# Altium PCB myAMP.PcbDoc (continued)
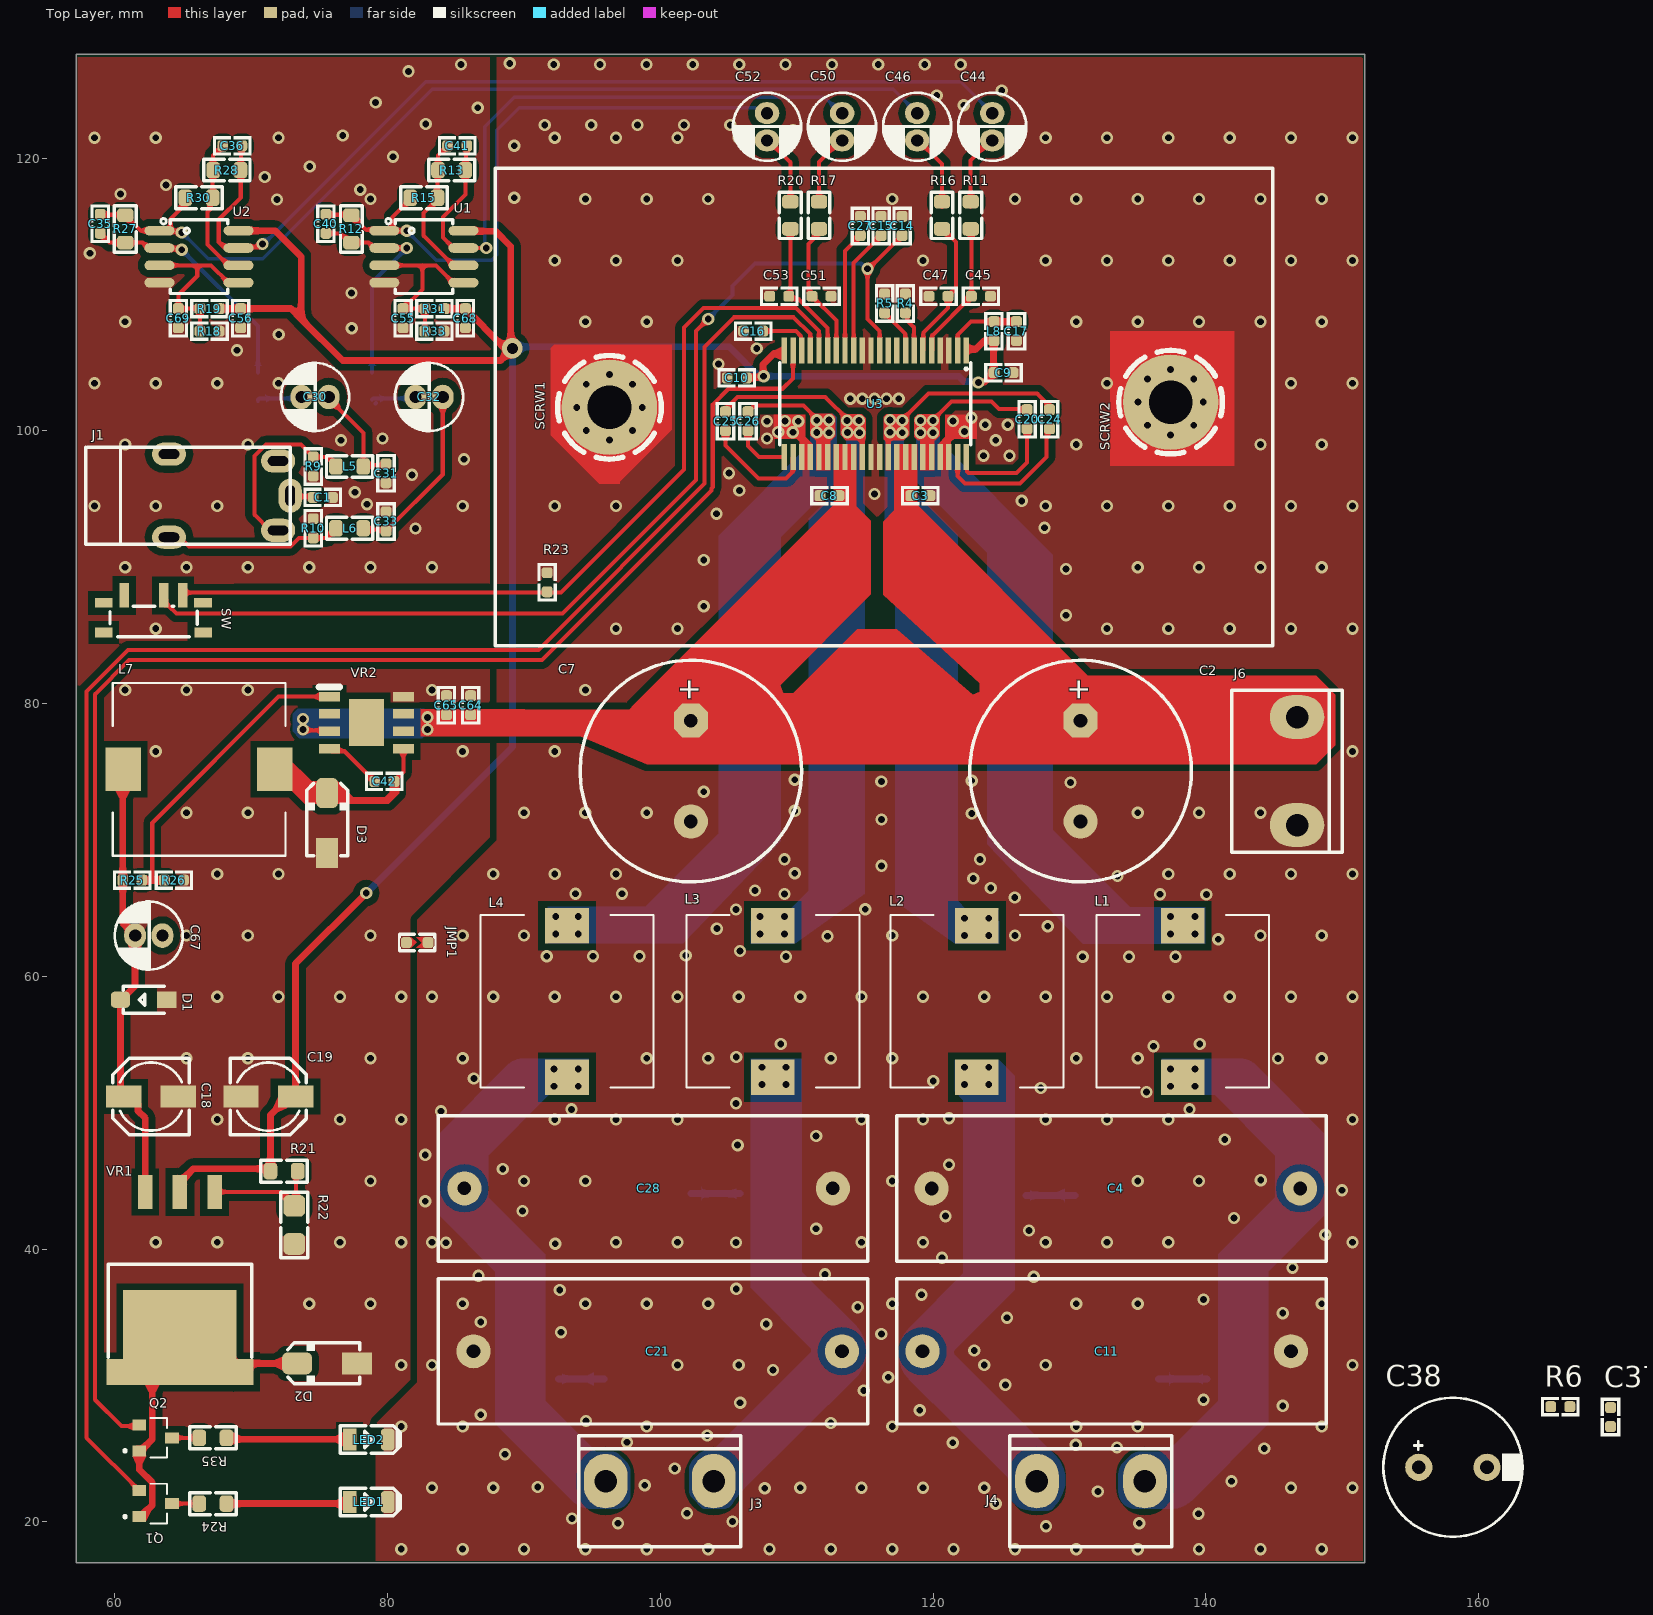
[diagram p0: Top Layer view]
## Footprints (in the part's own frame and the unit in brackets; to place one, negate y for a bottom-side part, rotate by r counter-clockwise, add the part's x,y. Pads: shape width x height; smd on the part's side, far side on the other; paste and mask are expansions set on the pad) (continued)
C_MKP_THT [mm] "pins distance: 27"
  round 2.5 hole 1: 1(-553.72,-3.427) 2(-526.701,-3.427)
  silkscreen extent -555.62,-8.76 -524.13,1.9
D2PAK [mm]
  rect 2.5x1.07 smd: 1(0,2.54) 2(0,-2.54) 3(0,0)
  rect 1.91x10.8 smd: 3(-13.215,0)
  rect 6.99x8.33 smd: 3(-10.675,0)
  silkscreen extent -12.13,-5.27 -5.3,5.27, body extent -13.67,-5.08 0.67,5.08, height 4.57
D_SOD123 [mm] "SOD123, 1206D"
  rect 1.4x1.2 smd paste-0.1 mask+0.1: 1(-1.7,0)
  rrect50% 1.4x1.2 smd paste-0.1 mask+0.1: 2(1.7,0)
  Top Layer pour cut-out: -1.016,1.1 -1.016,-1.1 1.016,-1.1 1.016,1.1
  silkscreen extent -1.5,-1 1.5,1, body extent -1.95,-0.97 1.95,0.96, height 1
DO-214AC [mm] "SMA Molded Diode, 2-Leads, Body 4.3x2.7mm, SOD-128"
  rect 2.2x1.6 smd paste-0.1: 1(-2.2,0)
  rrect50% 2.2x1.6 smd paste-0.1: 2(2.2,0)
  silkscreen extent -2.4,-1.5 2.9,1.5, body extent -2.75,-1.4 2.75,1.4, height 2.6
HOLE_3M [mm] "SCREW mouting, M3, 3.0mm diameter and 6.0mm FlangeHead"
  round 7 / inner round 3.5 / far side round 7 hole 3.2 mask+0.1: 1(0,0)
  Top Layer pour cut-out: 0,4 -1.531,3.696 -2.828,2.829 -3.695,1.531 -4,0 -4,0 -3.695,-1.53 -2.828,-2.828 -1.531,-3.695 0,-4 0,-4 2,-3.464 3.464,-2 4,0 4,0 3.696,1.531 2.828,2.828 1.531,3.696 0,4
  Bottom Layer pour cut-out: 0,4 -1.531,3.696 -2.828,2.829 -3.695,1.531 -4,0 -4,0 -3.695,-1.53 -2.828,-2.828 -1.531,-3.695 0,-4 0,-4 2,-3.464 3.464,-2 4,0 4,0 3.696,1.531 2.828,2.828 1.531,3.696 0,4
  silkscreen extent -3.8,-3.8 3.8,3.8
HTSSOP44_T [mm]
  rect 1.9x0.4 smd: 1(-3.9,6.668) 2(-3.9,6.033) 3(-3.9,5.398) 4(-3.9,4.763) 5(-3.9,4.128) 6(-3.9,3.493) 7(-3.9,2.858) 8(-3.9,2.223) 9(-3.9,1.588) 10(-3.9,0.953) 11(-3.9,0.318) 12(-3.9,-0.317) 13(-3.9,-0.952) 14(-3.9,-1.587) 15(-3.9,-2.222) 16(-3.9,-2.857) 17(-3.9,-3.493) 18(-3.9,-4.128) 19(-3.9,-4.763) 20(-3.9,-5.398) 21(-3.9,-6.033) 22(-3.9,-6.668) 23(3.9,-6.668) 24(3.9,-6.033) 25(3.9,-5.398) 26(3.9,-4.763) 27(3.9,-4.128) 28(3.9,-3.493) 29(3.9,-2.857) 30(3.9,-2.222) 31(3.9,-1.587) 32(3.9,-0.952) 33(3.9,-0.317) 34(3.9,0.318) 35(3.9,0.953) 36(3.9,1.588) 37(3.9,2.223) 38(3.9,2.858) 39(3.9,3.493) 40(3.9,4.128) 41(3.9,4.763) 42(3.9,5.398) 43(3.9,6.033) 44(3.9,6.668)
  silkscreen extent -3,-7 3,7, body extent -4.06,-7 4.06,7, height 1.01
J_PJ-321B [mm]
  oval 1.7x2.5 hole 0.7 slot 1.5 at 90 deg: 1(-5.969,-0.127)
  oval 2.5x1.7 hole 0.7 slot 1.5 at 0 deg: 2(-5.08,-2.667) 3(-5.08,2.413) 4(2.921,2.921) 4(2.921,-3.175)
  silkscreen extent -5.97,-3.68 9.02,3.43
JUMPER_0603 [mm] "CHIP Resistor 1/10 WATT, 1.6x0.8mm, 0603, 1608"
  rrect50% 0.8x0.8 smd paste-3 mask+0.05: 1(-0.8,0) 2(0.8,0)
  Top Layer region: -0.943,0.4 0.057,0.4 -0.343,0 0.057,-0.4 -0.943,-0.4
  Top Layer region: 0.429,0.397 0.029,-0.003 0.429,-0.403 0.829,-0.403 0.829,0.397
  silkscreen extent -1.33,-0.6 1.33,0.6, body extent -0.85,-0.4 0.85,0.4, height 0.56
L_0603_2 [mm] "INDUCTOR, FERRITE BEAD, 0603, 1.6X0.8mm"
  rrect50% 0.8x0.8 smd paste-5 mask+0.075: 1(-0.7,0) 2(0.7,0)
  silkscreen extent -1.4,-0.7 1.4,0.7, body extent -0.8,-0.4 0.8,0.4, height 0.95
L_0805 [mm] "INDUCTOR, FERRITE BEAD, 0805, 2.0X1.3mm"
  rrect50% 1x1.2 smd paste-5 mask+0.075: 1(-1,0) 2(1,0)
  Top Layer pour cut-out: -0.5,0.8 0.5,0.8 0.5,-0.8 -0.5,-0.8
  silkscreen extent -1.7,-0.8 1.7,0.8, body extent -1,-0.6 1,0.6, height 0.95
L_SLF12565 [mm]
  rect 2.6x3.2 smd: 1(-5.55,0) 2(5.55,0)
  silkscreen extent -6.35,-6.34 6.32,6.34, body extent -6.25,-6.25 6.25,6.25, height 6.85
LED_1206_RED [mm] "LED, 1206, RED"
  rect 1x1.6 smd paste-0.2 mask+0.075: 1(-1.4,0)
  rrect50% 1x1.6 smd paste-0.2 mask+0.075: 2(1.4,0)
  Top Layer pour cut-out: -1.1,1.1 -1.1,-1.1 1.1,-1.1 1.1,1.1
  silkscreen extent -2.1,-1 2.3,1, body extent -1.6,-0.8 1.6,0.8, height 0.68
PCBComponent_1 [mm]
  rect 0.7x1.8 smd: 1(0.443,-8.932) 2(1.843,-8.932) 3(4.73,-8.932)
  rect 1.3x0.7 smd: 4(-1.06,-6.215) 4(-1.056,-8.382) 4(6.23,-8.382) 4(6.23,-6.215)
  silkscreen extent -0.63,-8.14 5.77,-5.91
R_0603_2 [mm] "CHIP Resistor 1/10 WATT, 1.6x0.8mm, 0603, OPTIMIZED"
  rrect50% 0.8x0.8 smd paste-5 mask+0.075: 1(-0.7,0) 2(0.7,0)
  Top Layer pour cut-out: -0.5,0.4 0.5,0.4 0.5,-0.4 -0.5,-0.4
  silkscreen extent -1.4,-0.7 1.4,0.7, body extent -0.85,-0.4 0.85,0.4, height 0.56
R_0805 [mm] "CHIP RESISTOR 1/8 WATT ,2.0X1.3mm, 0805, 2012"
  rrect50% 1x1.2 smd paste-5 mask+0.075: 1(-1,0) 2(1,0)
  Top Layer pour cut-out: -0.5,0.8 0.5,0.8 0.5,-0.8 -0.5,-0.8
  silkscreen extent -1.7,-0.8 1.7,0.8, body extent -1.15,-0.67 1.15,0.68, height 0.76
R_1206 [mm]
  rrect50% 1.6x1.6 smd paste-5 mask+0.075: 1(-1.4,0) 2(1.4,0)
  Top Layer pour cut-out: -0.8,1 -0.8,-1 0.8,-1 0.8,1
  silkscreen extent -2.4,-1 2.4,1, body extent -1.68,-0.86 1.68,0.86, height 0.85
SO8_2 [mm] "SOP-8, 5x3.9mm body 1.27mm pitch, SOT96-1, M08A, S8, SOIC8, VO8, MS-012AA(JEDEC), R-8, 8S2, VOG8"
  oval 2.2x0.7 smd: 1(-2.9,1.905) 2(-2.9,0.635) 3(-2.9,-0.635) 4(-2.9,-1.905) 5(2.9,-1.905) 6(2.9,-0.635) 7(2.9,0.635) 8(2.9,1.905)
  silkscreen extent -2.8,-2.7 2.1,2.8, body extent -3,-2.45 3,2.45, height 1.7
SOIC127P600X170-9N [mm]
  rect 1.525x0.7 smd: 1(-2.712,1.905) 2(-2.712,0.635) 3(-2.712,-0.635) 4(-2.712,-1.905) 5(2.712,-1.905) 6(2.712,-0.635) 7(2.712,0.635) 8(2.712,1.905)
  rect 2.56x3.45 smd: 9(0,0)
  silkscreen extent -3.47,2.61 -1.95,2.61, body extent -2.45,-3 2.45,3, height 1.7
TRANS_DTC113ZKAT146 [mm]
  rect 1x0.8 smd: 1(-1.2,-0.95) 2(-1.2,0.95) 3(1.2,0)
  silkscreen extent -2.35,-1.45 0.83,1.45, body extent -1.4,-1.45 1.4,1.45, height 1.4
VH3_2 [mm]
  oval 3.2x4 hole 1.65: 1(-3.96,0) 2(3.96,0)
  silkscreen extent -5.94,-4.8 5.94,3.31, body extent -5.92,-4.66 5.9,3.84, height 10.9

## Part data
C1 C3 C4 C5 C6 C8 C9 C10 C11 C12 C13 C14 C15 C16 C17 C20 C21 C22 C23 C24 C25 C26 C27 C28 C29 C30 C31 C32 C33 C34 C35 C36 C37 C38 C40 C41 C44 C45 C46 C47 C50 C51 C52 C53 C56 C67 C68: library part Cap, "Capacitor", LatestRevisionDate=17-Jul-2002, LatestRevisionNote="Re-released for DXP Platform.", PackageReference=RAD-0.3, Published=8-Jun-2000, Publisher="Altium Limited"
  C3 C4 C5 C6 C8 C9 C10 C11 C12 C13 C14 C15 C16 C17 C20 C21 C22 C23 C24 C25 C26 C27 C28 C29 C34: PackageDescription="Radial Cap, Thru-Hole; 2 Leads; 0.3 in Pin Spacing"
C2 C7 C18 C19: library part "Cap Pol1", "Polarized Capacitor (Radial)", LatestRevisionDate=17-Jul-2002, LatestRevisionNote="Re-released for DXP Platform.", PackageReference=RB7.6-15, Published=8-Jun-2000, Publisher="Altium Limited"
C42 C55 C64 C65 C69: "Capacitor", LatestRevisionDate=17-Jul-2002, LatestRevisionNote="Re-released for DXP Platform.", PackageDescription="Radial Cap, Thru-Hole; 2 Leads; 0.3 in Pin Spacing", PackageReference=RAD-0.3, Published=8-Jun-2000, Publisher="Altium Limited"
D1 D2: library part "D Zener", "Zener Diode", LatestRevisionDate=17-Jul-2002, LatestRevisionNote="Re-released for DXP Platform.", PackageDescription="Diode, Thru-Hole; 2 Leads; 0.7 in Pin Spacing", PackageReference=DIODE-0.7, Published=8-Jun-2000, Publisher="Altium Limited"
D3: library part "D Schottky", "Schottky Diode", Code_JEDEC=DO-214-AA, LatestRevisionDate=17-Jul-2002, LatestRevisionNote="Re-released for DXP Platform.", PackageDescription="DO-214-AA/SMB; 2 C-Bend Leads; Body 5.3 x 3.6 mm, inc. leads (LxW)", PackageReference=SMB, Published=8-Jun-2000, Publisher="Altium Limited"
J1: Current Rating (Max)=500mA, JLCPCB Part Class="Extended Part", LCSC Part Name=3.5mm耳机座, Manufacturer="XKB Connection(中国星坤)", Operating Temperature Range=-20℃~+70℃, Soldering Temperature(Max)=235℃, Voltage Rating (Max)=30V, Add into BOM=yes, Connector Type=3.5mm耳机座, Convert to PCB=yes, Datasheet=https://atta.szlcsc.com/upload/public/pdf/source/20211011/0B12C1EC3FF575692CC2E8C172D7F9F9.pdf, Device=PJ-321B, Manufacturer Part=PJ-321B, Supplier=LCSC, Supplier Footprint=插件, Supplier Part=C692436, Symbol=PJ-321B
J3 J4 J6 JMP1: library part "Header 2", "Header, 2-Pin", LatestRevisionDate=17-Jul-2002, LatestRevisionNote="Re-released for DXP Platform.", Publisher="Altium Limited"
L1 L2 L3 L4 L5 L6 L8: library part Inductor, "Inductor", Code_IEC=1005, Code_JEITA=0402, LatestRevisionDate=29-May-2009, LatestRevisionNote="IPC-7351 Footprint Added.", PackageDescription="Chip Inductor", PackageReference=0402-A, Published=8-Jun-2000, Publisher="Altium Limited"
LED1 LED2: library part LED0, LatestRevisionDate=08-Jul-2005, LatestRevisionNote="Mech Layer 1 removed.", PackageReference=LED-0, Published=8-Jun-2000, Publisher="Altium Limited"
Q1 Q2: library part PNP_MMBT2907_SOT23, "BJT, PNP, 40v, 0.6A, SMD, SOT23", MANF="Diodes, NXP, FAIRCHILD, ON", MANF_P#=MMBT2907, PARAM="40v, 0.6A", PARAM2=250mW
R1 R2 R3 R4 R5 R7 R23 R24 R35: library part Res1, "Resistor", LatestRevisionDate=17-Jul-2002, LatestRevisionNote="Re-released for DXP Platform.", PackageDescription="Axial Device, Thru-Hole; 2 Leads; 0.3 in Pin Spacing", PackageReference=AXIAL-0.3, Published=8-Jun-2000, Publisher="Altium Limited"
R6 R21 R22 R25 R26: "Resistor", LatestRevisionDate=17-Jul-2002, LatestRevisionNote="Re-released for DXP Platform.", PackageDescription="Axial Device, Thru-Hole; 2 Leads; 0.3 in Pin Spacing", PackageReference=AXIAL-0.3, Published=8-Jun-2000, Publisher="Altium Limited"
R9 R10 R11 R12 R13 R14 R15 R16 R17 R20 R27 R28 R29 R30: library part "Res SEMI", "Semiconductor Resistor", LatestRevisionDate=17-Jul-2002, LatestRevisionNote="Re-released for DXP Platform.", PackageReference=AXIAL-0.5, Published=8-Jun-2000, Publisher="Altium Limited"
R18 R19 R31 R33: "Semiconductor Resistor", LatestRevisionDate=17-Jul-2002, LatestRevisionNote="Re-released for DXP Platform.", PackageDescription="Axial Device, Thru-Hole; 2 Leads; 0.5 in Pin Spacing", PackageReference=AXIAL-0.5, Published=8-Jun-2000, Publisher="Altium Limited"
SCRW1 SCRW2: library part SCRW, "SCREW, M4, 4mm diameter and 8.0mm, FlatHead", ASSEMBLY=DNP
SW: Actuator Color=-, Current Rating (DC)=100mA, JLCPCB Part Class="Extended Part", Manufacturer="SHOU HAN(首韩)", Operating Temperature=-25℃~+70℃, Voltage Rating (DC)=12V, Actuator Style=-, Add into BOM=yes, Circuit=SPDT, Convert to PCB=yes, Current Rating (AC)=-, Datasheet=https://atta.szlcsc.com/upload/public/pdf/source/20220429/8AEFBC67104491914BC5659DE1F359A3.pdf, Device=MSS12C02LS-BB2.0, LCSC Part Name=MSS12C02LS-BB2.0, Manufacturer Part=MSS12C02LS-BB2.0, Mechanical Life=1万次, Mounting Style="Brick nogging", Pin Style=SMDSplicing, Supplier=LCSC, Supplier Footprint=SMD, Supplier Part=C3008585, Switch Height=1.4mm, Switch Length=6.65mm, Switch Width=2.75mm, Symbol=MSS12C02LS-BB2.0, Voltage Rating (AC)=-
U1 U2: "SoundPlus Audio Operational Amplifier with 1.1nV/?Hz Noise, Low THD and Precision 8-SOIC -40 to 85", Package="SOIC-8 Texas Instruments", Availability="In Stock", Check_prices=https://www.snapeda.com/parts/OPA1612AID/Texas+Instruments/view-part/?ref=eda, MF="Texas Instruments", MP=OPA1612AID, PRICE=None, Purchase-URL=https://pricing.snapeda.com/search/part/OPA1612AID/?ref=eda, SnapEDA_Link=https://www.snapeda.com/parts/OPA1612AID/Texas+Instruments/view-part/?ref=snap
VR1: "Voltage Regulator", LatestRevisionDate=29-May-2009, LatestRevisionNote="IPC-7351 Footprint Added.", PackageDescription="3-Pin Transistor Outline Package 2.54 mm Pitch, 15.1 mm Lead Span", PackageReference=D2PAK, Published=24-Mar-1999, Publisher="Altium Limited"
VR2: "Buck Switching Regulator IC Positive Fixed 5V 1 Output 1A 8-SOIC (0.154, 3.90mm Width) Exposed Pad", Package="SOIC-8 Monolithic Power", Check_prices=https://www.snapeda.com/parts/MP9486AGN-Z/Monolithic+Power+Systems+Inc./view-part/?ref=eda, MF="Monolithic Power", MP=MP9486AGN-Z, SnapEDA_Link=https://www.snapeda.com/parts/MP9486AGN-Z/Monolithic+Power+Systems+Inc./view-part/?ref=snap
L7: Code_IEC=1005, Code_JEITA=0402, LatestRevisionDate=29-May-2009, LatestRevisionNote="IPC-7351 Footprint Added.", PackageDescription="Chip Inductor", PackageReference=0402-A, Published=8-Jun-2000, Publisher="Altium Limited"

## Via types
v1: diameter 0.9, hole 0.5, Top Layer to Bottom Layer, tented both sides, 456 vias
v2: diameter 1, hole 0.5, Top Layer to Bottom Layer, tented both sides, 32 vias
v3: diameter 0.8, hole 0.5, Top Layer to Bottom Layer, tented both sides, 16 vias
v4: diameter 1.5, hole 0.8, Top Layer to Bottom Layer, tented both sides, 1 vias

## Nets (pads, with @x,y where several pads share a name; then routed paths per layer and width w, separated by ;. In a path a pad name is that pad's centre, name@x,y a point inside that pad or via, vN(x,y) a via of type N, cw(c..) or ccw(c..) an arc to the next point about the centre after c; other vN are vias at no path point)
+12: C9.1 C10.1 C19.1 C56.1 C68.1 D2.2 L8.1 R19.2 R21.2 R31.2 U1.8 U2.8 U3.1 U3.22 VR1.3 | length 194.2
  Top Layer w0.5: 61.792,20.386 61.892,20.386 62.742,21.236 62.742,22.872 61.792,23.822 61.792,25.212 61.892,25.212 62.742,26.062 62.742,30.276 63.447,30.981 64.77,30.981 VR1.3@67.98,30.981 ; VR1.3@64.77,44.196 64.77,44.911 65.755,45.896 71.23,45.896 R21.2 71.406,49.84 C19.1@72.747,51.181 ; R19.2 C56.1 72.898,108.966 73.66,108.204 ; VR1.3@68.685,30.276 VR1.3@67.98,30.981 ; U2.8 71.755,114.681 73.66,112.776 73.66,108.204 ; C19.1 73.247,60.928 v1(78.438,66.119) ; D2.2 68.622,31.623 VR1.3@67.98,30.981 ; R31.2 C68.1 88.436,106.236 88.963,106.236 v4@89.027,106.172 ; U1.8 85.597,114.643 87.922,114.643 89.027,113.538 v4@89.027,106.172 ; C10.1@106.556,103.886 106.606,103.936 v1@107.141,103.936 ; v1@107.142,103.936 107.495,103.936 v1(107.572,104.013) ; v1@107.53,104.228 107.53,104.863 108.331,105.664 U3.22@108.966,105.664 ; U3.1@122.537,105.99 123.135,105.99 123.76,106.615 L8.1 124.427,106.583 124.427,104.427 C9.1@124.395,104.394 ; v1(123.317,103.546) 123.353,103.582 123.775,103.582 C9.1 ; 73.66,108.204 76.708,105.156 88.265,105.156 v4(89.154,106.045) v4@89.027,106.172
  Bottom Layer w0.5: v1(78.438,66.119) 89.154,76.835 v4(89.154,106.045) 89.281,106.172 105.029,106.172 v1@107.38,103.821 ; v1(107.572,104.013) 121.867,104.013 122.257,103.623 123.24,103.623 v1(123.317,103.546)
+13.5: C18.1 C37.2 C38.1 C67.1 D1.2 L7.2 R25.2 VR1.1 | length 32.8
  Top Layer w0.3: L7.2@60.452,75.019 L7.2
  Top Layer w0.5: L7.2@60.579,74.93 R25.2 60.579,63.935 61.484,63.03 61.484,59.301 60.403,58.22 60.403,51.428 C18.1 61.143,51.188 61.693,50.638 61.693,50.138 62.23,49.601 VR1.1
+36: C2.1 C3.1 C7.1 C8.1 C64.1 C65.1 J6.1 U3.29 U3.30 U3.31 U3.36 U3.37 U3.38 VR2.3 | length 1.8
  Top Layer w0.3: v1@73.85,78.041 VR2.3@75.665,78.041
  other v1: 73.787,78.105 82.931,78.105 73.787,78.867 82.931,78.994
AMP_CLIP: Q2.2 U3.21 | length 122.3
  Top Layer w0.3: Q2.2@61.887,27.017 60.486,27.017 58.547,28.956 58.547,80.685 61.047,83.185 91.313,83.185 103.743,95.615 103.743,95.782 103.843,95.882 103.843,101.938 104.994,103.089 108.969,103.089 109.728,103.848 U3.21
AMP_FAULT: Q1.2 U3.19 | length 132.4
  Top Layer w0.3: Q1.2@61.692,22.286 Q1.2 57.912,26.166 57.912,29.378 57.912,80.899 60.96,83.947 91.059,83.947 103.243,96.131 103.243,106.164 105.41,108.331 109.771,108.331 110.998,107.104 U3.19
AMP_RESET: R23.1 SW.1 U3.18 | length 63.6
  Top Layer w0.3: SW.1 64.969,87.938 65.169,88.138 68.707,88.138 92.71,88.138 101.727,97.155 101.727,107.569 103.162,109.004 109.947,109.004 111.633,107.318 U3.18
AUDIO_L: J1.4 L6.1 R10.2 | length 13.1
  Top Layer w0.3: J1.4@63.967,92.202 64.745,92.202 65.437,91.51 72.865,91.51 73.511,92.156 R10.2 75.562,92.156 L6.1@76.216,92.811
AUDIO_L+: C32.2 R14.1 | length 3.4
  Bottom Layer w0.3: R14.1 78.967,102.389 81.942,102.389 C32.2 ; R14.1@79.121,102.022 R14.1@79.137,102.038 ; C32.2@82.042,102.362 C32.2@82.042,102.462
AUDIO_L_M: C40.1 C52.1 R12.2 R15.1 U1.1 | length 46.8
  Top Layer w0.3: C40.1 75.517,115.849 77.348,115.849 77.793,115.404 77.793,115.358 78.393,114.758 U1.1@79.746,114.758 ; U1.1 80.174,114.681 v1(81.407,114.681) ; U1.1@80.174,114.771 80.359,114.956 80.359,115.694 81.659,116.994 R15.1
  Bottom Layer w0.254: v1(81.407,114.681) 83.566,112.522 87.63,112.522 88.011,112.903 88.011,122.047 89.662,123.698 106.962,123.698 107.359,123.301 C52.1
AUDIO_L_P: C41.1 C50.1 R13.2 U1.7 | length 47.5
  Top Layer w0.254: C50.1 C50.1@113.426,123.301
  Top Layer w0.3: U1.7 v1(87.234,113.411) ; U1.7@85.559,113.501 84.746,113.501 84.074,114.173 84.074,115.697 85.698,117.321 R13.2 85.748,119.176 85.748,120.854 C41.1
  Bottom Layer w0.254: v1(87.234,113.411) 87.134,113.511 87.134,122.313 89.281,124.46 112.067,124.46 113.226,123.301 C50.1
Audio_OUT_L_M: C28.1 C29.1 C34.1 J3.1 L4.2
  other v2: 92.202,51.943 93.98,51.943 92.202,53.213 93.98,53.213
Audio_OUT_L_P: C21.1 C22.1 C23.1 J3.2 L3.2
  other v2: 107.442,52.07 109.22,52.07 107.442,53.34 109.22,53.34
Audio_OUT_R_M: C11.1 C12.1 C13.1 J4.1 L2.2
  other v2: 122.301,52.07 124.079,52.07 122.301,53.34 124.079,53.34
Audio_OUT_R_P: C4.1 C5.1 C6.1 J4.2 L1.2
  other v2: 137.414,51.943 139.192,51.943 137.414,53.213 139.192,53.213
AUDIO_R: J1.3 L5.1 R9.2 | length 13.6
  Top Layer w0.3: J1.3 71.374,92.71 70.231,93.853 70.231,98.151 71.07,98.99 73.648,98.99 R9.2 ; R9.2@74.512,98.058 R9.2 ; L5.1@76.239,97.415 75.562,98.092 R9.2
AUDIO_R+: C30.2 R29.1 | length 3.4
  Bottom Layer w0.3: R29.1@70.485,102.213 R29.1@70.604,102.332 ; R29.1 70.585,102.389 73.576,102.389 C30.2
AUDIO_R_M: C35.1 C46.1 R27.2 R30.1 U2.1 | length 69.6
  Top Layer w0.3: C35.1 58.969,115.849 60.538,115.849 60.765,115.849 61.21,115.404 61.21,115.358 61.887,114.681 U2.1 ; U2.1@63.267,114.617 64.834,114.617 v1(64.897,114.554) ; U2.1@64.073,114.866 64.073,115.535 65.278,116.74 R30.1@65.278,116.84
  Bottom Layer w0.254: v1(64.897,114.554) 66.84,112.611 70.828,112.611 83.258,125.041 117.09,125.041 C46.1
AUDIO_R_P: C36.1 C44.1 R28.2 U2.7 | length 70.6
  Top Layer w0.3: R28.2 R28.2@69.232,119.151 ; C36.1 69.257,120.854 69.257,119.176 R28.2@69.232,119.151 ; v1(70.825,113.706) 70.662,113.706 70.443,113.488 69.08,113.488 69.067,113.474 69.054,113.488 67.995,113.488 67.617,113.866 67.617,115.496 69.232,117.111 R28.2@69.232,119.151
  Bottom Layer w0.254: v1(70.825,113.706) 70.907,113.706 82.804,125.603 122.031,125.603 C44.1
AUDIO_TPAIN_L_M: C53.1 R20.2 U3.17 | length 10.1
  Top Layer w0.3: R20.2@109.628,114.427 109.528,114.327 109.528,109.99 C53.1 109.631,109.655 110.144,109.655 112.268,107.531 U3.17
AUDIO_TPAIN_L_P: C51.1 R17.2 U3.16 | length 9.7
  Top Layer w0.3: C51.1@110.871,110.109 110.871,113.711 111.587,114.427 R17.2@111.633,114.427 ; C51.1@110.898,110.093 C51.1 112.903,108.088 U3.16
AUDIO_TPAIN_R_M: C47.1 R16.2 U3.6 | length 10.4
  Top Layer w0.3: U3.6 119.284,105.912 119.284,107.212 121.096,109.024 C47.1 121.666,110.444 121.666,113.838 120.696,114.808 R16.2
AUDIO_TPAIN_R_P: C45.1 R11.2 U3.5 | length 10.2
  Top Layer w0.3: U3.5 119.938,105.931 119.938,107.011 C45.1 122.801,114.762 R11.2
AUDIO_W_L_M++: C26.1 L4.1 U3.27 U3.28 | length 5.8
  Top Layer w0.3: C26.1@106.453,101.411 106.896,101.854 110.481,101.854 v1@111.575,100.759 ; v1@112.337,100.759 v1@112.346,100.768
  other v1: 111.46,99.884 112.365,99.867 111.464,100.776 112.357,100.79
  other v2: 92.329,63.119 93.98,63.119 92.329,64.389 93.98,64.389
AUDIO_W_L_P++: C25.1 L3.1 U3.32 | length 10.6
  Top Layer w0.3: C25.1@104.775,101.157 104.913,101.295 104.913,101.738 105.664,102.489 112.087,102.489 113.792,100.784 v1@113.792,100.765
  other v1: 113.713,99.879 114.594,99.862 113.685,100.767 114.554,100.765
  other v2: 107.315,63.119 109.093,63.119 107.315,64.389 109.093,64.389
AUDIO_W_R_M++: C24.1 L2.1 U3.35 | length 12.4
  Top Layer w0.3: v1@117.671,100.759 119.658,102.746 127.632,102.746 C24.1@128.795,101.583
  other v1: 117.737,99.861 116.831,99.898 117.737,100.762 116.836,100.799
  other v2: 122.301,62.992 124.079,62.992 122.301,64.262 124.079,64.262
AUDIO_W_R_P++: C20.1 L1.1 U3.39 U3.40 | length 7.7
  Top Layer w0.3: v1(119.988,100.758) 119.988,100.79 121.344,102.146 124.288,102.146 124.834,101.6 C20.1@126.89,101.6
  other v1: 119.079,99.86 119.985,99.86 119.082,100.755
  other v2: 137.414,63.119 139.192,63.119 137.414,64.389 139.192,64.389
DVDD: C14.1 Q1.1 Q2.1 SW.2 U3.11 | length 79.2
  Top Layer w0.3: SW.2@63.754,87.376 64.516,86.614 92.837,86.614 102.616,96.393 102.616,107.315 v1(103.505,108.204) ; U3.11 116.078,107.315 115.189,108.204 v1(115.189,111.887) 115.262,111.887 117.702,114.327 C14.1
  Bottom Layer w0.3: v1(103.505,108.204) 105.277,109.976 105.277,110.611 106.934,112.268 114.713,112.268 115.094,111.887 v1(115.189,111.887)
FB: R6.1 R25.1 R26.2 VR2.1 | length 21.7
  Top Layer w0.3: 62.738,66.929 62.738,71.247 72.009,80.518 VR2.1 VR2.1@76.237,80.518
GNDA: C1.1 C18.2 C19.2 C31.1 C33.1 C38.2 C55.2 C56.2 C64.2 C65.2 C67.2 C68.2 C69.2 D1.1 D2.1 D3.1 JMP1.2 R9.1 R10.1 R18.1 R22.1 R26.1 R33.1 U1.4 U2.4 VR2.8
  other v1: 81,31.5 74.25,36 78.75,36 63,40.5 67.5,40.5 76.5,40.5 81,40.5 78.75,45 67.5,49.5 76.5,49.5 81,49.5 65.25,54 69.75,54 78.75,54 67.5,58.5 72,58.5 76.5,58.5 81,58.5 65.25,63 69.75,63 78.75,63 67.5,67.5 72,67.5 65.25,72 69.75,72 63,76.5 85.5,76.5 60.75,81 65.25,81 69.75,81 83.25,81 63,85.5 60.75,90 65.25,90 69.75,90 74.25,90 78.75,90 83.25,90 82.042,92.837 58.5,94.5 63,94.5 67.5,94.5 85.5,94.5 78.486,94.615 77.597,95.504 81.788,96.774 85.598,97.917 60.75,99 69.75,99 76.581,99.314 79.629,99.441 58.5,103.5 63,103.5 67.5,103.5 72,103.5 68.961,105.918 72.009,107.061 77.37,107.526 60.75,108 77.343,110.109 58.166,113.03 71.882,116.967 78.75,117 60.404,117.371 77.985,117.692 63.741,118.024 70.993,118.618 74.295,119.38 80.389,120.096 58.5,121.5 63,121.5 72,121.5 76.708,121.666 82.793,122.5 86.614,123.698 79.121,124.079 81.534,126.365 85.38,126.873
GNDB: C2.2 C3.2 C4.2 C5.2 C7.2 C8.2 C9.2 C10.2 C11.2 C12.2 C14.2 C15.2 C16.2 C17.2 C21.2 C22.2 C27.2 C28.2 C29.2 C45.2 C47.2 C51.2 C53.2 J6.2 JMP1.1 LED1.2 LED2.2 R1.1 R2.1 R3.1 R4.1 R5.1 R7.1 R23.2 SCRW1.1 SCRW2.1 U3.3 U3.4 U3.12 U3.13 U3.25 U3.26 U3.33 U3.34 U3.41 U3.42
  other v1: 81,18 85.5,18 90,18 94.5,18 99,18 103.5,18 108,18 112.5,18 117,18 121.5,18 126,18 130.5,18 135,18 139.5,18 144,18 148.5,18 128.27,19.685 135.118,19.896 96.894,19.905 105.292,20.021 93.512,20.252 139.462,20.592 101.948,20.634 124.587,21.336 132.08,22.225 107.657,22.464 83.25,22.5 87.75,22.5 110.25,22.5 114.75,22.5 119.25,22.5 123.75,22.5 146.25,22.5 150.75,22.5 91.01,22.554 98.849,22.687 141.879,22.983 101.049,23.913 88.606,24.959 144.283,25.388 133.483,25.457 130.461,25.657 121.432,25.796 97.56,25.833 103.438,26.332 81,27 85.5,27 99,27 117,27 130.5,27 135,27 148.5,27 112.492,27.245 94.544,27.402 86.825,27.855 119.015,28.187 145.635,28.507 105.847,28.731 139.827,28.956 114.909,29.636 125.297,30.047 116.713,30.607 108.251,31.136 83.25,31.5 101.25,31.5 105.75,31.5 123.75,31.5 128.25,31.5 150.75,31.5 123.016,32.568 116.205,33.782 92.71,33.909 107.766,34.501 86.825,34.655 125.42,34.972 145.635,35.307 114.468,35.747 85.5,36 94.5,36 99,36 103.5,36 117,36 130.5,36 135,36 148.5,36 139.834,36.304 119.152,36.653 92.626,37.01 105.559,37.087 127.381,37.973 86.67,38.051 112.064,38.151 146.36,38.629 120.65,39.37 92.295,40.394 84.281,40.471 83.25,40.5 96.75,40.5 101.25,40.5 105.55,40.487 114.75,40.5 119.25,40.5 128.25,40.5 132.75,40.5 137.25,40.5 150.75,40.5 148.749,41.049 127.037,41.363 111.422,41.49 142.057,42.286 120.904,42.418 89.891,42.798 82.761,43.512 149.987,44.323 90,45 94.5,45 117,45 135,45 139.5,45 144.025,45.058 88.435,45.871 121.165,46.193 82.761,46.912 105.664,47.625 141.387,48.046 111.422,48.29 92.25,49.5 96.75,49.5 101.25,49.5 114.75,49.5 119.25,49.5 128.25,49.5 132.75,49.5 137.25,49.5 150.75,49.5 121.165,49.593 83.917,50.109 93.483,50.249 138.797,50.249 105.55,50.687 135.643,51.519 127.889,51.816 120.015,52.324 86.322,52.513 145.288,53.975 85.5,54 99,54 103.5,54 112.5,54 117,54 130.5,54 135,54 148.5,54 105.565,54.087 136.157,54.88 108.83,55.034 139.553,55.034 83.25,58.5 87.75,58.5 92.25,58.5 96.75,58.5 101.25,58.5 105.75,58.5 110.25,58.5 114.75,58.5 119.25,58.5 123.75,58.5 128.25,58.5 132.75,58.5 137.25,58.5 141.75,58.5 146.25,58.5 150.75,58.5 109.208,61.448 130.965,61.437 134.365,61.437 137.765,61.437 91.663,61.482 95.063,61.482 98.463,61.482 101.863,61.537 105.834,61.864 140.912,62.723 112.261,62.946 85.5,63 90,63 117,63 126,63 144,63 148.5,63 104.14,63.5 128.402,63.671 105.537,64.897 115.028,64.921 125.984,65.786 136.637,66.019 140.037,66.008 109.093,66.04 93.781,66.064 97.181,66.064 106.934,66.294 124.225,66.478 122.936,67.183 133.512,67.36 87.75,67.5 92.25,67.5 96.75,67.5 137.25,67.5 141.75,67.5 146.25,67.5 150.75,67.5 109.855,67.564 116.22,68.105 109.093,68.58 123.444,68.58 116.22,71.505 122.828,71.939 90,72 94.5,72 99,72 135,72 139.5,72 144,72 109.855,72.136 103.182,73.539 130.067,74.225 116.205,74.295 122.828,74.352 109.855,74.422 92.25,76.5 150.75,76.5 94.5,81 96.75,85.5 101.25,85.5 132.75,85.5 137.25,85.5 141.75,85.5 146.25,85.5 150.75,85.5 129.736,86.475 103.182,87.139 129.736,89.875 135,90 139.5,90 144,90 148.5,90 103.182,90.539 128.172,92.893 104.116,93.93 92.25,94.5 96.75,94.5 128.25,94.5 132.75,94.5 137.25,94.5 141.75,94.5 146.25,94.5 150.75,94.5 126.492,94.869 115.697,95.377 105.791,95.631 105.029,96.901 123.698,98.171 125.603,98.171 130.5,99 144,99 148.5,99 124.587,99.314 107.824,99.446 109.716,99.905 108.636,99.913 122.301,99.949 123.825,100.457 125.476,100.457 107.823,100.711 109.132,100.723 110.109,100.711 121.455,100.724 122.809,100.965 113.919,102.362 114.808,102.362 115.697,102.362 116.586,102.362 117.475,102.362 132.75,103.5 146.25,103.5 150.75,103.5 104.267,104.902 107.061,106.045 94.5,108 99,108 130.5,108 135,108 139.5,108 144,108 148.5,108 92.25,112.5 96.75,112.5 101.25,112.5 119.25,112.5 128.25,112.5 132.75,112.5 137.25,112.5 141.75,112.5 146.25,112.5 150.75,112.5 94.5,117 99,117 103.5,117 117,117 126,117 130.5,117 135,117 139.5,117 144,117 148.5,117 89.281,117.094 89.281,120.904 92.25,121.5 96.75,121.5 101.25,121.5 105.75,121.5 128.25,121.5 132.75,121.5 137.25,121.5 141.75,121.5 146.25,121.5 150.75,121.5 109.728,122.047 91.527,122.428 94.927,122.428 98.327,122.428 101.727,122.428 105.127,122.428 122.246,123.88 120.265,124.591 125.034,124.955 92.18,126.873 95.58,126.873 98.98,126.873 102.38,126.873 105.78,126.873 109.18,126.873 112.58,126.873 115.98,126.873 119.38,126.873 122.018,126.865 88.952,126.95
  other v3: 96.266,99.327 137.414,99.708 94.569,100.03 97.963,100.03 135.717,100.411 139.111,100.411 93.866,101.727 98.666,101.727 135.014,102.108 139.814,102.108 94.569,103.424 97.963,103.424 135.717,103.805 139.111,103.805 96.266,104.127 137.414,104.508
NetC1_2: C1.2 J1.1 | length 1.7
  Top Layer w0.3: J1.1 72.92,95.186 C1.2@74.482,95.186
NetC6_2: C6.2 R1.2 | length 3.6
  Bottom Layer w0.5: R1.2 C6.2
NetC13_2: C13.2 R2.2 | length 3.6
  Bottom Layer w0.5: C13.2 R2.2
NetC15_1: C15.1 U3.14 | length 9.3
  Top Layer w0.3: U3.14 114.173,112.314 C15.1
NetC16_1: C16.1 U3.20 | length 4
  Top Layer w0.3: C16.1 109.939,107.315 110.313,106.941 110.313,106.681 110.363,106.631 U3.20
NetC17_1: C17.1 L8.2 U3.2 | length 5.9
  Top Layer w0.3: U3.2@121.824,105.912 U3.2 121.793,107.033 122.775,108.015 L8.2
  Top Layer w0.5: L8.2 C17.1
NetC20_2: C20.2 U3.44 | length 8.3
  Top Layer w0.3: U3.44 122.478,98.031 122.478,97.027 122.604,96.901 126.111,96.901 126.89,97.68 C20.2
NetC23_2: C23.2 R3.2 | length 3.6
  Bottom Layer w0.5: R3.2 C23.2
NetC24_2: C24.2 U3.43 | length 11.2
  Top Layer w0.3: U3.43 121.793,96.696 122.35,96.139 126.365,96.139 128.322,98.096 128.322,99.911 C24.2@128.593,100.182
NetC25_2: C25.2 U3.24 | length 8.1
  Top Layer w0.3: C25.2@104.775,99.854 104.775,98.933 107.188,96.52 109.225,96.52 109.678,96.973 U3.24@109.678,98.031
NetC26_2: C26.2 U3.23 | length 3.6
  Top Layer w0.3: C26.2@106.426,99.757 106.426,98.88 107.225,98.081 108.839,98.081
NetC27_1: C27.1 U3.15 | length 8.9
  Top Layer w0.3: U3.15 113.538,113.203 C27.1
NetC30_1: C30.1 C31.2 L5.2 | length 7.6
  Top Layer w0.3: C30.1 75.676,102.389 78.216,99.849 L5.2 ; L5.2@78.316,97.492 C31.2@79.783,97.492
NetC32_1: C32.1 C33.2 L6.2 | length 13.2
  Top Layer w0.3: L6.2@78.316,92.756 C33.2@79.783,92.756 ; C33.2 84.042,96.815 C32.1
  Bottom Layer w0.3: C32.1@83.915,102.235 C32.1@84.042,102.362
NetC34_2: C34.2 R7.2 | length 3.4
  Bottom Layer w0.3: R7.2@95.874,30.472 R7.2@95.882,30.464
  Bottom Layer w0.5: C34.2@92.529,30.472 C34.2 R7.2
NetC35_2: C35.2 R27.1 R29.2 U2.2 | length 17.8
  Top Layer w0.3: C35.2 59.609,113.808 R27.1 62.012,113.808 62.472,113.347 64.834,113.347 v1(64.897,113.284)
  Bottom Layer w0.3: v1(64.897,113.284) 70.485,107.696 R29.2
NetC36_2: C36.2 R28.1 R30.2 U2.6 | length 10.5
  Top Layer w0.3: R30.2 67.167,119.086 R28.1 67.207,120.204 C36.2 ; R30.2@67.369,116.931 66.99,116.552 66.99,116.252 66.778,116.04 66.778,113.68 68.317,112.141 U2.6
NetC37_1: C37.1 R6.2
NetC40_2: C40.2 R12.1 R14.2 U1.2 | length 16.6
  Top Layer w0.3: C40.2 76.508,114.489 77.189,113.808 R12.1 78.594,113.808 78.901,113.501 79.759,113.501 79.849,113.411 v1(81.407,113.411)
  Bottom Layer w0.3: R14.2 78.867,110.871 v1(81.407,113.411)
NetC41_2: C41.2 R13.1 R15.2 U1.6 | length 10.9
  Top Layer w0.3: R15.2@83.598,117.348 83.648,117.398 83.648,119.076 R13.1 83.698,120.204 C41.2 ; R15.2 83.659,116.994 82.639,115.974 82.639,114.311 84.678,112.272 85.518,112.272 U1.6@85.559,112.231
NetC42_1: C42.1 VR2.4 | length 4.3
  Top Layer w0.3: VR2.4@75.929,76.508 76.843,76.508 C42.1 ; VR2.4@76.237,76.708 VR2.4@76.437,76.508
NetC42_2: C42.2 D3.2 L7.1 VR2.5 | length 2.7
  Top Layer w0.3: C42.2 81.153,74.992 VR2.5
NetC44_2: C44.2 R11.1 | length 5.6
  Top Layer w0.3: R11.1@122.755,116.427 122.755,119.823 124.233,121.301 C44.2
NetC46_2: C46.2 R16.1 | length 5.9
  Top Layer w0.3: C46.2@118.66,121.132 C46.2 118.93,121.301 120.65,119.581 R16.1@120.65,116.427
NetC50_2: C50.2 R17.1 | length 5.6
  Top Layer w0.3: R17.1@111.633,116.586 R17.1 111.633,119.708 113.226,121.301 C50.2 C50.2@113.432,121.195
NetC52_2: C52.2 R20.1 | length 5.3
  Top Layer w0.3: C52.2 107.923,121.301 109.528,119.696 R20.1
NetC55_1: C55.1 R31.1 R33.2 U1.3 U1.5 | length 13.3
  Top Layer w0.3: U1.3 82.55,112.141 ; R33.2@82.728,107.123 R31.1@82.728,108.774 ; R31.1 C55.1 82.55,110.382 82.55,112.141 ; U1.5 84.809,110.871 83.539,112.141 82.55,112.141
NetC69_1: C69.1 R18.2 R19.1 U2.3 U2.5 | length 13.4
  Top Layer w0.3: U2.3@63.199,112.073 U2.3 66.04,112.141 ; R18.2 R19.1 C69.1 64.651,109.982 66.04,111.371 66.04,112.141 ; U2.5 68.317,110.871 67.047,112.141 66.04,112.141
NetLED1_1: LED1.1 R24.1 | length 10.6
  Top Layer w0.5: R24.1@68.183,21.236 68.433,20.986 R24.1@68.433,21.548 ; R24.1 68.433,21.336 77.217,21.336 77.467,21.586 LED1.1@77.467,21.844
NetLED2_1: LED2.1 R35.1 | length 9.5
  Top Layer w0.5: R35.1 68.283,26.062 76.805,26.062 76.917,25.95 77.217,25.95 LED2.1@77.467,25.7
NetQ1_3: Q1.3 R24.2 | length 2
  Top Layer w0.3: Q1.3 R24.2
NetQ2_3: Q2.3 R35.2 | length 2
  Top Layer w0.3: Q2.3 R35.2
NetR4_2: R4.2 U3.7 | length 3
  Top Layer w0.3: R4.2 118.112,108.499 118.112,108.075 118.589,107.598 118.589,105.909 U3.7
NetR5_2: R5.2 U3.8 | length 3.4
  Top Layer w0.3: R5.2 117.952,107.135 117.952,105.912 U3.8
NetR21_1: R21.1 R22.2 VR1.2 | length 8.9
  Top Layer w0.3: VR1.2 72.136,44.196 R22.2 73.279,43.307 73.279,45.593 R21.1
pads on no net: J1.2 SW.3 SW.4 U3.9 U3.10 VR2.2 VR2.6 VR2.7 VR2.9

## Polygon pours and split planes (outlines as drawn)
GNDA on Top Layer "GNDA_L01_P004" (solid, remove dead copper, pour order 4): 79.121,17.145 57.277,17.145 57.277,127.381 57.404,127.381 88.011,127.381 88.011,69.977 82.169,64.135 82.169,30.226 79.121,27.178
GNDB on Top Layer "GNDB_L01_P003" (solid, remove dead copper, pour order 3): 151.511,127.508 151.384,127.381 88.011,127.381 88.011,69.977 82.169,64.135 82.169,30.226 79.121,27.178 79.121,17.145 151.511,17.145
GNDA on Bottom Layer "GNDA_L02_P002" (solid, remove dead copper, pour order 2): 79.121,17.145 57.277,17.145 57.277,127.381 57.404,127.381 88.011,127.381 88.011,69.977 82.169,64.135 82.169,30.226 79.121,27.178
GNDB on Bottom Layer "GNDB_L02_P001" (solid, remove dead copper, pour order 1): 151.511,127.508 151.384,127.381 88.011,127.381 88.011,69.977 82.169,64.135 82.169,30.226 79.121,27.178 79.121,17.145 151.511,17.145

## Other copper
Top Layer:
  rectangle net GNDB: 132.969,97.409 142.113,107.315
  region net FB: 63.345,66.678 63.43,66.772 63.43,66.909 63.43,67.31 63.306,67.407 cw(c62.81,68.396) 62.288,67.421 62.164,67.31 62.263,66.678 cw(c62.804,65.346)
  region net AUDIO_W_L_P++: 113.296,101.231 114.751,101.231 115.062,100.92 115.062,99.542 114.935,99.06 ccw(c114.428,98.71) 114.428,99.326 113.608,99.326 113.225,99.709 113.225,101.16 cw(c113.269,101.187)
  region net NetC42_2: 80.137,73.486 80.137,74.257 80.607,74.452 80.855,74.204 80.855,73.414 80.085,72.644 73.914,72.644 72.771,73.787 71.12,73.787 71.12,76.454 72.644,76.454 72.644,76.073 74.422,74.295 76.327,74.295 77.47,73.152 79.803,73.152
  region net AUDIO_W_L_M++: 110.998,101.255 112.613,101.255 112.827,101.041 112.827,99.619 112.522,99.314 111.379,99.314 110.998,99.695
  region net AUDIO_W_R_P++: 118.872,101.219 120.243,101.219 120.468,100.994 120.468,99.64 120.142,99.314 118.872,99.314 118.618,99.568 118.618,100.965
  region net +36: 99.013,75.565 94.107,77.597 82.423,77.597 82.423,79.622 97.727,79.566 97.91,79.749 97.91,79.763 108.827,90.68 112.714,94.567 112.714,99.013 114.378,99.013 114.378,94.476 115.443,93.411 115.443,88.011 108.78,81.348 109.019,80.772 109.728,80.772 114.427,85.471 117.334,85.471 122.907,80.645 123.425,80.88 123.425,81.493 116.332,87.973 116.332,93.345 117.16,94.173 117.16,99.013 118.824,99.013 118.824,94.567 131.349,82.042 148.082,82.042 149.479,80.645 149.479,76.962 148.082,75.565
  region net GNDB: 108.331,101.198 110.617,101.198 110.617,99.568 111.125,99.06 111.125,97.155 110.236,97.155 110.236,99.187 109.982,99.441 108.331,99.441
  region net GNDB: 123.19,101.198 120.904,101.198 120.904,99.568 120.396,99.06 120.396,97.155 121.285,97.155 121.285,99.187 121.539,99.441 123.19,99.441
  region net GNDB: 91.948,106.045 92.202,106.299 100.838,106.299 100.838,100.076 97.028,96.266 97.028,96.139 95.504,96.139 91.948,99.695
  region net AUDIO_W_L_P++: 115.005,99.326 114.998,99.319 114.998,97.143 114.989,97.134 114.612,97.134 114.612,99.148 114.434,99.326
  region net AUDIO_W_L_M++: 112.522,99.314 112.468,99.26 112.46,97.123 111.433,97.123 111.429,97.127 111.433,97.131 111.433,99.26 111.379,99.314
  region net AUDIO_W_R_M++: 116.579,101.219 118.11,101.219 118.237,101.092 118.237,99.695 117.856,99.314 116.713,99.314 116.568,99.056 116.486,99.287 116.379,99.394 116.379,101.019
  region net AUDIO_W_R_M++: 117.03,99.314 116.91,99.194 116.902,97.123 116.513,97.123 116.509,97.127 116.513,97.131 116.513,99.26 116.459,99.314
  region net AUDIO_W_R_P++: 120.142,99.314 120.088,99.26 120.08,97.123 119.053,97.123 119.049,97.127 119.053,97.131 119.053,99.26 118.999,99.314
Bottom Layer:
  region net Audio_OUT_R_P: 134.44,24.839 133.911,24.31 ccw(c134.703,23.517) 133.582,23.517 133.582,22.397 ccw(c135.622,22.397) 133.661,21.836 ccw(c134.83,22.171) 134.83,20.955 137.436,20.955 ccw(c137.436,23.169) 139.001,21.604 144.576,27.178 144.576,38.33 148.64,42.446 148.64,48.514 143.612,53.542 ccw(c142.567,52.497) 142.566,53.975 136.779,53.975 136.779,51.308 140.639,51.308 145.084,46.863 145.084,43.815 140.893,39.624 140.893,28.882 137.157,25.146 135.181,25.146 ccw(c135.181,24.099)
  region net Audio_OUT_L_M: 87.884,38.33 87.884,27.178 93.494,21.568 ccw(c94.974,23.049) 94.974,20.955 96.721,20.955 ccw(c96.721,22.002) 97.462,21.262 97.573,21.373 ccw(c97.05,21.896) 97.79,21.897 97.79,23.711 ccw(c96.781,23.712) 97.494,24.426 96.991,24.929 ccw(c96.468,24.408) 96.467,25.146 95.303,25.146 91.567,28.882 91.567,39.624 87.376,43.815 87.376,46.863 91.821,51.308 94.742,51.308 94.742,53.975 89.894,53.975 ccw(c89.893,52.497) 88.848,53.542 83.82,48.514 83.82,42.446
  region net Audio_OUT_R_M: 128.966,24.881 128.701,25.146 121.589,32.258 cw(c121.779,32.448) 121.589,32.639 125.978,37.028 125.978,51.943 125.978,52.711 124.841,53.848 122.224,53.848 122.22,53.844 121.589,53.844 121.589,51.562 122.224,50.927 122.224,38.227 118.278,34.282 ccw(c120.217,32.343) 118.289,30.394 125.18,23.579 125.267,23.492 cw(c124.312,22.537) 125.662,22.537 125.662,21.927 ccw(c126.429,21.927) 125.887,21.385 ccw(c127.232,22.731) 127.232,20.828 128.444,20.828 ccw(c128.444,21.283) 128.781,20.977 ccw(c125.884,23.607) 129.622,22.451 ccw(c127.082,23.083) 129.183,24.644 ccw(c126.364,22.278)
  region net Audio_OUT_L_P: 104.668,20.955 103.251,20.955 cw(c103.251,21.262) 103.034,21.045 102.325,21.754 cw(c102.848,22.278) 102.108,22.278 102.108,23.823 cw(c103.155,23.823) 102.415,24.564 102.69,24.839 cw(c103.563,24.179) 103.563,25.273 103.886,25.273 110.998,32.385 ccw(c110.808,32.575) 110.998,32.766 106.609,37.155 106.609,53.975 110.363,53.975 110.363,38.354 114.308,34.409 cw(c112.37,32.47) 114.298,30.521 106.348,22.659 ccw(c112.417,16.521) 105.188,21.237 cw(c104.668,21.576)
  region net +36: 73.406,79.629 73.025,79.248 73.025,77.978 73.533,77.47 82.55,77.47 83.058,77.978 83.058,79.248 82.677,79.629
  region net AUDIO_W_R_M++: 116.467,92.956 117.221,92.202 117.221,65.525 121.609,62.394 124.849,62.394 124.849,64.026 124.784,64.091 124.784,64.885 122.44,64.885 121.793,65.532 121.793,92.387 117.846,96.334 117.846,99.314 118.1,99.568 118.237,99.705 118.237,101.092 118.111,101.218 116.589,101.222 116.376,101.009 116.376,99.397 116.467,99.306 116.467,96.866
  region net AUDIO_W_L_P++: 106.615,64.038 106.68,64.103 106.68,64.897 109.474,64.897 110.871,66.294 110.871,93.599 113.619,96.347 113.619,99.326 113.365,99.58 113.22,99.725 113.22,101.155 113.295,101.23 114.751,101.234 115.062,100.923 115.062,99.441 114.998,99.377 114.998,96.871 114.998,66.076 109.855,62.406 106.615,62.406
  region net AUDIO_W_R_P++: 118.745,99.441 118.618,99.568 118.618,100.838 118.999,101.219 120.224,101.219 120.471,100.972 120.471,99.239 128.778,90.932 128.778,70.739 134.456,65.061 139.954,65.061 139.954,62.395 130.955,62.395 123.952,69.692 123.952,91.059 118.753,96.258 118.753,96.909 118.76,97.424 118.745,97.439
  region net AUDIO_W_L_M++: 91.739,62.44 101.683,62.44 108.839,69.897 108.839,92.202 112.94,96.303 112.94,96.954 112.933,97.469 112.948,97.484 112.948,101.01 112.694,101.264 111.297,101.264 110.998,100.965 110.998,99.06 104.267,92.329 104.267,70.485 98.888,65.106 91.739,65.106

## Silkscreen, mask and mechanical layers (free items; w line width, h text height)
Top Overlay:
  lines w0.254: 87.907,84.253 144.907,84.253 144.907,119.253 87.907,119.253 87.907,84.253
Mechanical 1:
  the board outline again, w0.254

## Text inside footprints (layer, text, board x,y; h text height)
C2: Top Overlay "+" at 130.023,81.902 h1.52 r270
C7: Top Overlay "+" at 101.448,81.902 h1.52 r270